# KiCad board Keyboard.kicad_pcb (continued)
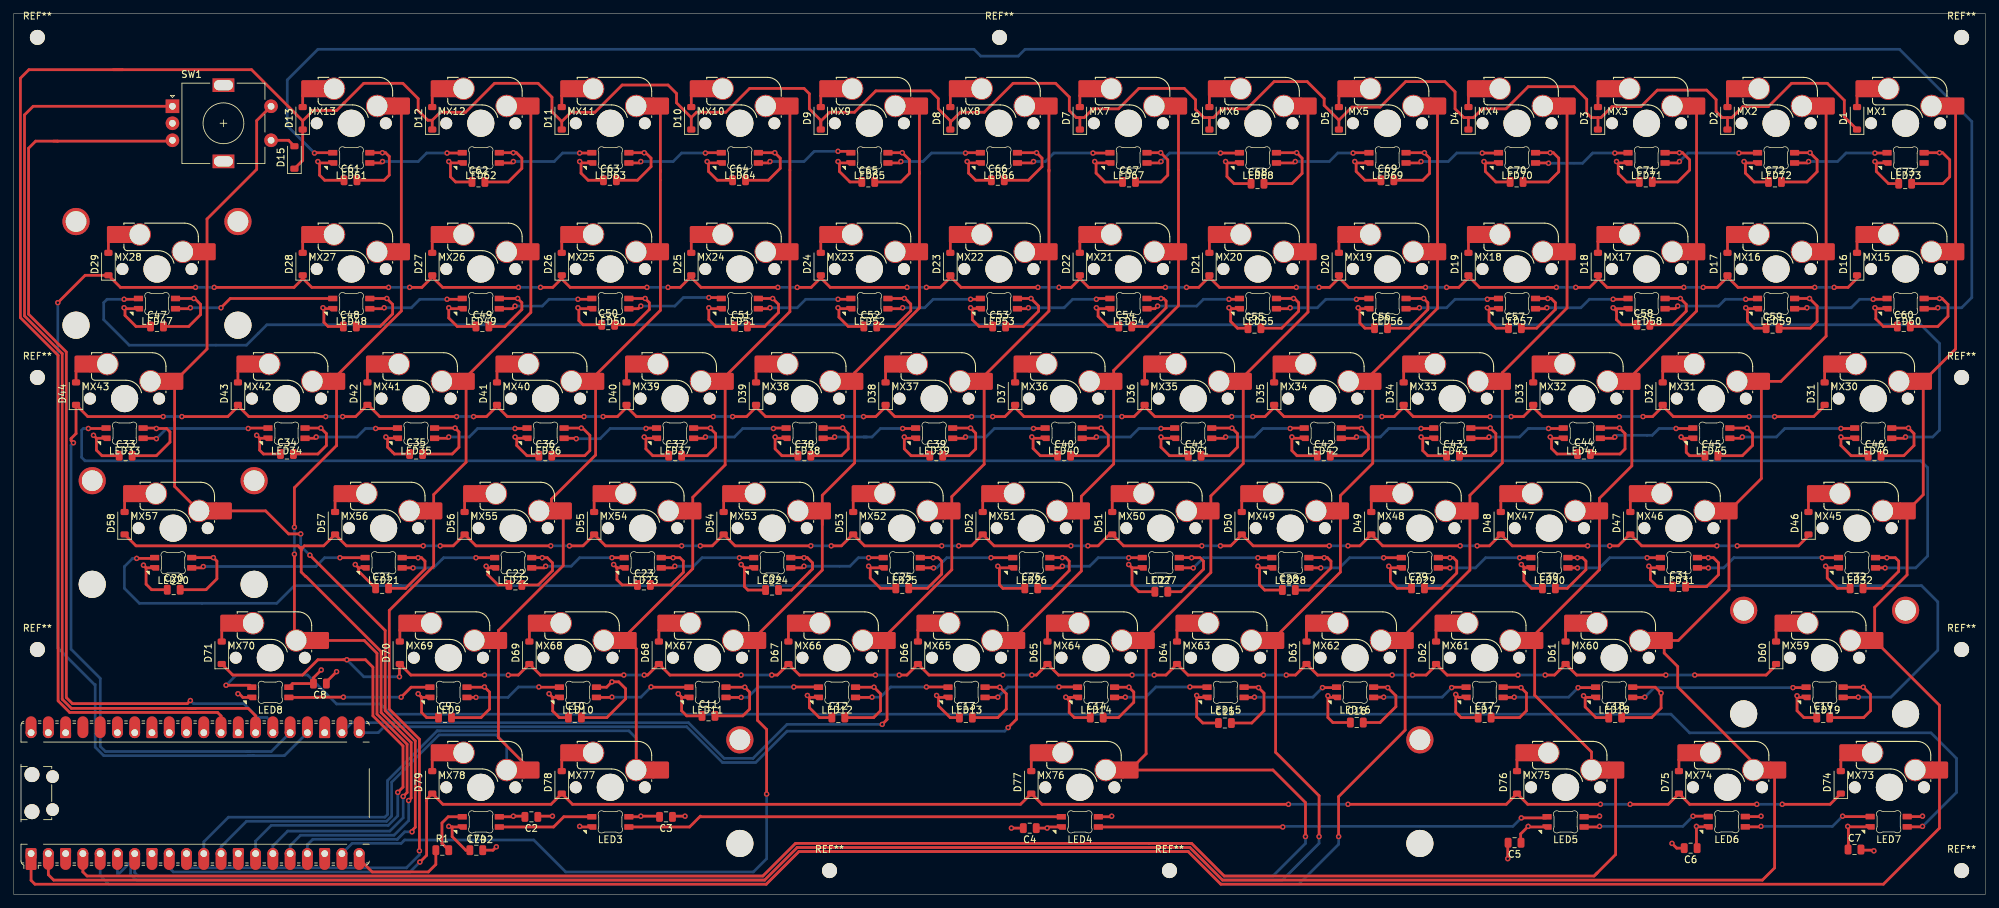
[diagram p0: board, top side]
## Routing (per net, layer and track width the routed paths; a pad name or vN(x,y) marks a point on that pad's centre or on a via; arc(x,y) is an arc through that point) (continued)
Row 4: length 332.6
  Top w0.4: v1(117.25,51.25) 106.11,51.25 D54.1 102.76,51.25 v1(101,51.25) ; 42.3,50.8 42.5,51 ; 42.3,50.8 42.3,50.6 ; 42.3,50.8 42.1,51 ; 42.5,51 42.3,51 ; 42.5,51 42.75,51.25 45.61,51.25 D57.1 48.96,51.25 v1(60.25,51.25) ; 42.1,51 42.3,51 ; 42.1,51 41.85,51.25 18,51.25 D58.1 ; 42.3,51 42.3,50.6 ; 42.3,50.6 42.3,47.4 42.95,46.75 43,46.75 54.05,35.7 54.05,26.75 58.47,22.33 58.47,14.17 v1(58.1,13.8) ; v1(177.5,51.25) 179,51.25 180.63,52.88 D50.1 182.31,51.25 v1(193.5,51.25) ; v1(158,51.25) 159.5,51.25 161.18,52.92 D51.1 163.26,51.25 v1(174.75,51.25) ; v1(215.25,51.25) 217.06,51.25 D48.1 220.41,51.25 v1(231.5,51.25) ; v1(196.25,51.25) 198.01,51.25 D49.1 201.36,51.25 v1(212.75,51.25) ; v1(234.75,51.25) 236,51.25 237.68,52.92 D47.1 239.46,51.25 v1(250.5,51.25) ; v1(79,51.25) 68.01,51.25 D56.1 64.66,51.25 v1(62.75,51.25) ; v1(253.5,51.25) 262.5,51.25 263.98,52.72 D46.1 ; v1(139,51.25) 140.86,51.25 D52.1 144.21,51.25 v1(155.5,51.25) ; v1(136.5,51.25) 125.16,51.25 D53.1 123.43,52.92 121.75,51.25 v1(120.25,51.25) ; v1(81.75,51.25) 83.75,51.25 85.38,52.88 D55.1 87.06,51.25 v1(98.25,51.25)
  Bottom w0.4: v1(139,51.25) v1(136.5,51.25) ; v1(234.75,51.25) v1(231.5,51.25) ; v1(253.5,51.25) v1(250.5,51.25) ; v1(215.25,51.25) v1(212.75,51.25) ; v1(177.5,51.25) v1(174.75,51.25) ; v1(81.75,51.25) v1(79,51.25) ; v1(158,51.25) v1(155.5,51.25) ; A1.16 40.67,7.17 42.2,8.7 55.95,8.7 58.1,10.85 v1(58.1,13.8) ; v1(62.75,51.25) v1(60.25,51.25) ; v1(196.25,51.25) v1(193.5,51.25) ; v1(101,51.25) v1(98.25,51.25) ; v1(120.25,51.25) v1(117.25,51.25)
Row 5: length 299.3
  Top w0.4: v1(167.75,32.25) 169.48,32.25 D64.1 172.73,32.25 v1(183.83,32.25) ; v1(202.75,32.25) 191.78,32.25 D63.1 188.53,32.25 v1(187.17,32.25) ; v1(56.75,32) 56.75,33.82 D70.1 58.43,32.25 v1(69.25,32.25) ; v1(92.75,32.25) 93.25,32.25 94.88,33.88 D68.1 96.53,32.25 v1(107,32.25) ; v1(243,32.25) 229.88,32.25 D61.1 226.63,32.25 v1(225.25,32.25) ; v1(205.75,32.25) 207.75,32.25 209.21,33.71 D62.1 210.83,32.25 v1(221.25,32.25) ; v1(164.5,32.25) 153.68,32.25 D65.1 150.43,32.25 v1(149.75,32.25) ; v1(145.5,32.25) 134.63,32.25 D66.1 131.38,32.25 v1(130.25,32.25) ; v1(72.75,32.25) 74.23,32.25 D69.1 77.48,32.25 v1(89.75,32.25) ; D71.1 32.24,32.25 42.5,32.25 44.75,34.5 v1(49,34.5) 51.75,34.5 52.85,33.4 52.85,26.25 57.27,21.83 57.27,15.77 v1(56.5,15) ; D60.1 259.21,33.71 257.75,32.25 v1(247.25,32.25) ; v1(126.75,32.25) 115.58,32.25 D67.1 112.33,32.25 v1(111.5,32.25)
  Bottom w0.4: v1(92.75,32.25) v1(89.75,32.25) ; v1(56.75,32) 51.5,32 v1(49,34.5) ; v1(56.5,15) 56.5,11.55 55.1,10.15 37.9,10.15 35.59,7.84 A1.14 ; v1(247.25,32.25) v1(243,32.25) ; v1(187.17,32.25) v1(183.83,32.25) ; v1(130.25,32.25) v1(126.75,32.25) ; v1(72.75,32.25) v1(69.25,32.25) ; v1(167.75,32.25) v1(164.5,32.25) ; v1(225.25,32.25) v1(221.25,32.25) ; v1(145.5,32.25) v1(149.75,32.25) ; v1(111.5,32.25) v1(107,32.25) ; v1(205.75,32.25) v1(202.75,32.25)
Row 6: length 264.3
  Top w0.4: D74.1 267.16,13.25 v1(260.12,13.25) ; v1(196.25,13.25) 219.54,13.25 D76.1 222.69,13.25 v1(233.38,13.25) ; v1(59.75,4.75) 60.75,5.75 60.75,13.75 60.75,13.75 60.75,14.01 D79.1 63.14,13.25 79.04,13.25 D78.1 82.19,13.25 148.1,13.25 D77.1 151.25,13.25 v1(187.5,13.25) ; v1(237.75,13.25) 243.35,13.25 D75.1 246.5,13.25 v1(256.38,13.25)
  Bottom w0.4: v1(59.75,4.75) 58.3,3.3 23.5,3.3 22.89,3.91 A1.9 ; v1(237.75,13.25) v1(233.38,13.25) ; v1(196.25,13.25) v1(187.5,13.25) ; v1(260.12,13.25) v1(256.38,13.25)
Net-(D1-A): length 3.1
  Top w0.4: D1.2 271.12,117.4 MX1.2
Net-(D2-A): length 3.1
  Top w0.4: MX2.2 252.07,117.4 D2.2
Net-(D3-A): length 3.1
  Top w0.4: MX3.2 233.02,117.4 D3.2
Net-(D4-A): length 3.1
  Top w0.4: D4.2 213.97,117.4 MX4.2
Net-(D5-A): length 3.1
  Top w0.4: MX5.2 194.92,117.4 D5.2
Net-(D6-A): length 3.1
  Top w0.4: D6.2 175.87,117.4 MX6.2
Net-(D7-A): length 3.1
  Top w0.4: MX7.2 156.82,117.4 D7.2
Net-(D8-A): length 3.1
  Top w0.4: MX8.2 137.77,117.4 D8.2
Net-(D9-A): length 3.1
  Top w0.4: MX9.2 118.72,117.4 D9.2
Net-(D10-A): length 3.1
  Top w0.4: MX10.2 99.67,117.4 D10.2
Net-(D11-A): length 3.1
  Top w0.4: D11.2 80.62,117.4 MX11.2
Net-(D12-A): length 3.1
  Top w0.4: D12.2 61.57,117.4 MX12.2
Net-(D13-A): length 3.1
  Top w0.4: D13.2 42.52,117.4 MX13.2
Net-(D15-A): length 4
  Top w0.4: D15.2 40.46,110.84 40.46,110.88 SW1.S1 37.98,110.99
Net-(D16-A): length 3.1
  Top w0.4: MX15.2 271.12,95.97 D16.2
Net-(D17-A): length 3.1
  Top w0.4: D17.2 252.07,95.97 MX16.2
Net-(D18-A): length 3.1
  Top w0.4: D18.2 233.02,95.97 MX17.2
Net-(D19-A): length 3.1
  Top w0.4: MX18.2 213.97,95.97 D19.2
Net-(D20-A): length 3.1
  Top w0.4: MX19.2 194.92,95.97 D20.2
Net-(D21-A): length 3.1
  Top w0.4: MX20.2 175.87,95.97 D21.2
Net-(D22-A): length 3.1
  Top w0.4: MX21.2 156.82,95.97 D22.2
Net-(D23-A): length 3.1
  Top w0.4: D23.2 137.77,95.97 MX22.2
Net-(D24-A): length 3.1
  Top w0.4: D24.2 118.72,95.97 MX23.2
Net-(D25-A): length 3.1
  Top w0.4: D25.2 99.67,95.97 MX24.2
Net-(D26-A): length 3.1
  Top w0.4: MX25.2 80.62,95.97 D26.2
Net-(D27-A): length 3.1
  Top w0.4: MX26.2 61.57,95.97 D27.2
Net-(D28-A): length 3.1
  Top w0.4: MX27.2 42.52,95.97 D28.2
Net-(D29-A): length 3.1
  Top w0.4: MX28.2 13.94,95.97 D29.2
Net-(D31-A): length 3.1
  Top w0.4: D31.2 266.36,76.92 MX30.2
Net-(D32-A): length 3.1
  Top w0.4: D32.2 242.54,76.92 MX31.2
Net-(D33-A): length 3.1
  Top w0.4: D33.2 223.49,76.92 MX32.2
Net-(D34-A): length 3.1
  Top w0.4: D34.2 204.44,76.92 MX33.2
Net-(D35-A): length 3.1
  Top w0.4: D35.2 185.39,76.92 MX34.2
Net-(D36-A): length 3.1
  Top w0.4: D36.2 166.34,76.92 MX35.2
Net-(D37-A): length 3.1
  Top w0.4: D37.2 147.29,76.92 MX36.2
Net-(D38-A): length 3.1
  Top w0.4: D38.2 128.24,76.92 MX37.2
Net-(D39-A): length 3.1
  Top w0.4: D39.2 109.19,76.92 MX38.2
Net-(D40-A): length 3.1
  Top w0.4: D40.2 90.14,76.92 MX39.2
Net-(D41-A): length 3.1
  Top w0.4: MX40.2 71.09,76.92 D41.2
Net-(D42-A): length 3.1
  Top w0.4: D42.2 52.04,76.92 MX41.2
Net-(D43-A): length 3.1
  Top w0.4: MX42.2 32.99,76.92 D43.2
Net-(D44-A): length 3.1
  Top w0.4: D44.2 9.18,76.92 MX43.2
Net-(D46-A): length 3.1
  Top w0.4: MX45.2 263.98,57.87 263.98,56.22
Net-(D47-A): length 3.1
  Top w0.4: MX46.2 237.78,57.87 237.78,56.22
Net-(D48-A): length 3.1
  Top w0.4: 218.73,56.22 218.73,57.87 MX47.2
Net-(D49-A): length 3.1
  Top w0.4: MX48.2 199.68,57.87 199.68,56.22
Net-(D50-A): length 3.1
  Top w0.4: MX49.2 180.63,57.87 180.63,56.22
Net-(D51-A): length 3.1
  Top w0.4: MX50.2 161.58,57.87 161.58,56.22
Net-(D52-A): length 3.1
  Top w0.4: MX51.2 142.53,57.87 142.53,56.22
Net-(D53-A): length 3.1
  Top w0.4: 123.48,56.22 123.48,57.87 MX52.2
Net-(D54-A): length 3.1
  Top w0.4: MX53.2 104.43,57.87 104.43,56.22
Net-(D55-A): length 3.1
  Top w0.4: 85.38,56.22 85.38,57.87 MX54.2
Net-(D56-A): length 3.1
  Top w0.4: 66.33,56.22 66.33,57.87 MX55.2
Net-(D57-A): length 3.1
  Top w0.4: 47.28,56.22 47.28,57.87 MX56.2
Net-(D58-A): length 3.1
  Top w0.4: MX57.2 16.33,57.87 16.33,56.22
Net-(D60-A): length 3.1
  Top w0.4: MX59.2 259.21,38.82 D60.2
Net-(D61-A): length 3.1
  Top w0.4: MX60.2 228.26,38.82 D61.2
Net-(D62-A): length 3.1
  Top w0.4: MX61.2 209.21,38.82 D62.2
Net-(D63-A): length 3.1
  Top w0.4: D63.2 190.16,38.82 MX62.2
Net-(D64-A): length 3.1
  Top w0.4: MX63.2 171.11,38.82 D64.2
Net-(D65-A): length 3.1
  Top w0.4: MX64.2 152.06,38.82 D65.2
Net-(D66-A): length 3.1
  Top w0.4: D66.2 133.01,38.82 MX65.2
Net-(D67-A): length 3.1
  Top w0.4: D67.2 113.96,38.82 MX66.2
Net-(D68-A): length 3.1
  Top w0.4: MX67.2 94.91,38.82 D68.2
Net-(D69-A): length 3.1
  Top w0.4: D69.2 75.86,38.82 MX68.2
Net-(D70-A): length 3.1
  Top w0.4: D70.2 56.81,38.82 MX69.2
Net-(D71-A): length 1.6
  Top w0.4: D71.2 30.61,38.82
Net-(D74-A): length 3.1
  Top w0.4: D74.2 268.74,19.77 MX73.2
Net-(D75-A): length 3.1
  Top w0.4: MX74.2 244.93,19.77 D75.2
Net-(D76-A): length 3.1
  Top w0.4: MX75.2 221.11,19.77 D76.2
Net-(D77-A): length 3.1
  Top w0.4: D77.2 149.68,19.77 MX76.2
Net-(D78-A): length 3.1
  Top w0.4: D78.2 80.62,19.77 MX77.2
Net-(D79-A): length 3.1
  Top w0.4: MX78.2 61.57,19.77 D79.2
Net-(LED2-DIN): length 7.8
  Top w0.4: R1.2 63,7.5 63,10.5 63.91,11.41 LED2.3
Net-(LED2-DOUT): length 14.2
  Top w0.4: LED2.2 79.41,9.91 80.91,11.41 LED3.3
Net-(LED3-DOUT): length 64.3
  Top w0.4: LED4.3 101.09,11.41 101,11.5 99.41,9.91 LED3.2
Net-(LED4-DOUT): length 66.6
  Top w0.4: v1(221.75,11.25) 225.37,11.25 LED5.3 ; v1(186.66,9.91) LED4.2
  Bottom w0.4: v1(186.66,9.91) 186.75,10 220.5,10 v1(221.75,11.25)
Net-(LED5-DOUT): length 18.9
  Top w0.4: v1(233.25,10) 233.16,9.91 LED5.2 ; LED6.3 249.17,11.5 v1(247,11.5)
  Bottom w0.4: v1(247,11.5) 245.5,10 v1(233.25,10)
Net-(LED6-DOUT): length 19
  Top w0.4: LED6.2 256.94,9.94 v1(257,10) ; v1(269,11.5) 269.06,11.44 LED7.3
  Bottom w0.4: v1(269,11.5) 267.5,10 v1(257,10)
Net-(LED7-DOUT): length 278.4
  Top w0.4: v1(280.75,10) 280.69,9.94 LED7.2 ; v1(31.25,30.75) 34.75,30.75 LED8.3
  Bottom w0.4: v1(280.75,10) 285.75,15 285.75,20 282,23.75 246.5,23.75 243.75,26.5 55.5,26.5 54,28 47.5,28 43.25,32.25 32.75,32.25 v1(31.25,30.75)
Net-(LED8-DOUT): length 21.4
  Top w0.4: v1(57,29) 58.46,30.46 LED9.3 ; v1(48.5,29) 44.25,29 44.21,28.96 LED8.2
  Bottom w0.4: v1(48.5,29) v1(57,29)
Net-(LED10-DIN): length 14.3
  Top w0.4: v1(77.25,30.5) 77.29,30.46 LED10.3 ; v1(68,28.96) 66.68,28.96
  Bottom w0.4: v1(68,28.96) 72.71,28.96 74.25,30.5 v1(77.25,30.5)
Net-(LED10-DOUT): length 14.3
  Top w0.4: v1(93.75,30.5) 93.79,30.46 99.32,30.46 ; v1(88,29) 87.96,28.96 LED10.2
  Bottom w0.4: v1(88,29) 92.25,29 v1(93.75,30.5)
Net-(LED11-DOUT): length 14.3
  Top w0.4: v1(114.75,30.5) 118.34,30.5 LED12.3 ; v1(107,28.96) LED11.2
  Bottom w0.4: v1(114.75,30.5) 109.5,30.5 107.96,28.96 v1(107,28.96)
Net-(LED12-DOUT): length 14.3
  Top w0.4: v1(126.25,29) 126.21,28.96 LED12.2 ; v1(134.25,30.5) 137.39,30.5 LED13.3
  Bottom w0.4: v1(134.25,30.5) 129,30.5 127.5,29 v1(126.25,29)
Net-(LED13-DOUT): length 14.3
  Top w0.4: v1(144.75,29) 144.71,28.96 LED13.2 ; v1(153.75,30.5) 156.44,30.5 156.48,30.46
  Bottom w0.4: v1(144.75,29) 146.25,30.5 v1(153.75,30.5)
Net-(LED14-DOUT): length 14.3
  Top w0.4: LED15.3 175.49,30.5 v1(173,30.5) ; LED14.2 163.46,28.96 v1(163.5,29)
  Bottom w0.4: v1(173,30.5) 168,30.5 166.5,29 v1(163.5,29)
Net-(LED15-DOUT): length 14.2
  Top w0.4: LED15.2 182.46,28.96 v1(182.5,29) ; v1(192.5,30.4) 194.51,30.4 LED16.3
  Bottom w0.4: v1(192.5,30.4) 191.1,29 v1(182.5,29)
Net-(LED16-DOUT): length 14.2
  Top w0.4: 200.02,28.96 200.06,29 v1(201.5,29) ; LED17.3 211.56,30.46 v1(211.5,30.4)
  Bottom w0.4: v1(201.5,29) 210.1,29 v1(211.5,30.4)
Net-(LED17-DOUT): length 14.2
  Top w0.4: 232.68,30.46 232.61,30.4 v1(230.1,30.4) ; v1(220.7,29) 220.66,28.96 LED17.2
  Bottom w0.4: v1(230.1,30.4) 228.7,29 v1(220.7,29)
Net-(LED18-DOUT): length 26.1
  Top w0.4: v1(261.7,30.4) 263.57,30.4 LED19.3 ; LED18.2 239.86,28.96 v1(239.9,29)
  Bottom w0.4: v1(239.9,29) 241.3,30.4 v1(261.7,30.4)
Net-(LED19-DOUT): length 302.2
  Top w0.4: v1(18.1,49.4) 20.63,49.4 LED20.3 ; v1(271.3,29) 271.26,28.96 LED19.2
  Bottom w0.4: 56.9,45.4 41.3,45.4 38.7,42.8 18.5,42.8 16.3,45 16.3,48.2 17.5,49.4 v1(18.1,49.4) ; 56.9,45.4 280.6,45.4 283,43 283,35.9 276.1,29 v1(271.3,29) ; 56.9,45.4 56.5,45.4
Net-(LED20-DOUT): length 26.1
  Top w0.4: LED20.2 27.71,48.01 v1(27.9,48.2) ; LED21.3 51.69,49.5 v1(48,49.5)
  Bottom w0.4: v1(27.9,48.2) 44.45,48.2 45.75,49.5 v1(48,49.5)
Net-(LED21-DOUT): length 14.2
  Top w0.4: v1(68,49.5) 70.74,49.5 LED22.3 ; v1(58.75,48) 58.74,48.01 LED21.2
  Bottom w0.4: v1(58.75,48) 61.75,48 63.25,49.5 v1(68,49.5)
Net-(LED22-DOUT): length 14.2
  Top w0.4: LED23.3 89.79,49.5 v1(88,49.5) ; LED22.2 78.01,48.01 v1(78.25,48.25)
  Bottom w0.4: v1(78.25,48.25) 82,48.25 83.25,49.5 v1(88,49.5)
Net-(LED23-DOUT): length 14.2
  Top w0.4: LED23.2 97.01,48.01 v1(97.25,48.25) ; LED24.3 108.84,49.5 v1(106.75,49.5)
  Bottom w0.4: v1(106.75,49.5) 101.25,49.5 100,48.25 v1(97.25,48.25)
Net-(LED24-DOUT): length 14.2
  Top w0.4: LED25.3 127.89,49.5 v1(125.75,49.5) ; LED24.2 116.01,48.01 v1(116.25,48.25)
  Bottom w0.4: v1(125.75,49.5) 124.25,49.5 123,48.25 v1(116.25,48.25)
Net-(LED25-DOUT): length 14.2
  Top w0.4: LED25.2 134.99,48.01 135,48 v1(135.3,48) ; LED26.3 146.94,49.5 v1(143.75,49.5)
  Bottom w0.4: v1(135.3,48) 135.75,48 137.25,49.5 v1(143.75,49.5)
Net-(LED26-DOUT): length 14.2
  Top w0.4: v1(164,49.5) 165.99,49.5 LED27.3 ; v1(154.25,48.25) 154.01,48.01 LED26.2
  Bottom w0.4: v1(164,49.5) 159.5,49.5 158.25,48.25 v1(154.25,48.25)
Net-(LED27-DOUT): length 14.2
  Top w0.4: v1(183,49.5) 185.04,49.5 LED28.3 ; LED27.2 173.49,48.01 v1(173.5,48)
  Bottom w0.4: v1(173.5,48) 175,49.5 v1(183,49.5)
Net-(LED28-DOUT): length 14.2
  Top w0.4: LED28.2 192.24,48.01 v1(192.25,48) ; v1(201.5,49.5) 204.09,49.5 LED29.3
  Bottom w0.4: v1(201.5,49.5) 196.5,49.5 195,48 v1(192.25,48)
Net-(LED29-DOUT): length 14.2
  Top w0.4: v1(211.25,48) 211.24,48.01 LED29.2 ; LED30.3 223.14,49.5 v1(221.5,49.5)
  Bottom w0.4: v1(211.25,48) 215,48 216.5,49.5 v1(221.5,49.5)
Net-(LED30-DOUT): length 14.2
  Top w0.4: v1(240.25,49.5) 242.19,49.5 LED31.3 ; v1(230,48) 229.99,48.01 LED30.2
  Bottom w0.4: v1(240.25,49.5) 234.75,49.5 233.25,48 v1(230,48)
Net-(LED31-DOUT): length 21.4
  Top w0.4: LED31.2 249.24,48.01 v1(249.25,48) ; v1(266,49.5) 268.38,49.5 LED32.3
  Bottom w0.4: v1(249.25,48) 251.5,48 253,49.5 v1(266,49.5)
Net-(LED32-DOUT): length 301.2
  Top w0.4: v1(11,68.5) 13.54,68.5 LED33.3 ; v1(275.25,48) 275.24,48.01 LED32.2
  Bottom w0.4: v1(275.25,48) 279.75,48 281.5,49.75 281.5,62.75 280.5,63.75 10.5,63.75 10,64.25 10,68.25 10.25,68.5 v1(11,68.5)
Net-(LED33-DOUT): length 19
  Top w0.4: LED34.3 34.56,68.56 v1(34.5,68.5) ; v1(21,67) 20.94,67.06 LED33.2
  Bottom w0.4: v1(21,67) 22.5,68.5 v1(34.5,68.5)
Net-(LED34-DOUT): length 14.2
  Top w0.4: v1(53.25,68.5) 56.4,68.5 LED35.3 ; LED34.2 44.31,67.06 v1(44.5,67.25)
  Bottom w0.4: v1(44.5,67.25) 50.5,67.25 51.75,68.5 v1(53.25,68.5)
Net-(LED35-DOUT): length 14.2
  Top w0.4: LED36.3 75.45,68.5 v1(73.75,68.5) ; v1(64,67.25) 63.81,67.06 LED35.2
  Bottom w0.4: v1(64,67.25) 67,67.25 68.25,68.5 v1(73.75,68.5)
Net-(LED36-DOUT): length 14.3
  Top w0.4: v1(82.75,67) 82.69,67.06 LED36.2 ; v1(93,68.5) 93.06,68.56 LED37.3
  Bottom w0.4: v1(82.75,67) 86.25,67 87.75,68.5 v1(93,68.5)
Net-(LED37-DOUT): length 14.2
  Top w0.4: LED37.2 101.56,67.06 v1(101.75,67.25) ; v1(111.75,68.5) 111.81,68.56 LED38.3
  Bottom w0.4: v1(111.75,68.5) 107.25,68.5 106,67.25 v1(101.75,67.25)
Net-(LED38-DOUT): length 15.2
  Top w0.4: LED38.2 120.56,67.06 v1(120.75,67.25) ; v1(130.75,68.5) 132.6,68.5 LED39.3
  Bottom w0.4: v1(130.75,68.5) 127.5,68.5 126.25,67.25 125,67.25 125.5,67.25 v1(120.75,67.25)
Net-(LED39-DOUT): length 14.2
  Top w0.4: LED40.3 151.65,68.5 v1(150,68.5) ; LED39.2 139.81,67.06 v1(140,67.25)
  Bottom w0.4: v1(140,67.25) 143,67.25 144.25,68.5 v1(150,68.5)
Net-(LED40-DOUT): length 14.2
  Top w0.4: LED41.3 170.7,68.5 v1(168.75,68.5) ; v1(159.25,67.25) 159.06,67.06 LED40.2
  Bottom w0.4: v1(159.25,67.25) 164.25,67.25 165.5,68.5 v1(168.75,68.5)
Net-(LED41-DOUT): length 14.2
  Top w0.4: v1(187.75,68.5) 187.81,68.56 LED42.3 ; LED41.2 178.06,67.06 v1(178.25,67.25)
  Bottom w0.4: v1(187.75,68.5) 183.75,68.5 182.5,67.25 v1(178.25,67.25)
Net-(LED42-DOUT): length 14.2
  Top w0.4: v1(207,68.5) 208.8,68.5 LED43.3 ; v1(197.5,67.25) 197.31,67.06 LED42.2
  Bottom w0.4: v1(197.5,67.25) 201,67.25 202.25,68.5 v1(207,68.5)
Net-(LED43-DOUT): length 14.2
  Top w0.4: LED43.2 216.81,67.06 v1(217,67.25) ; LED44.3 227.85,68.5 v1(225.75,68.5)
  Bottom w0.4: v1(217,67.25) 221.5,67.25 222.75,68.5 v1(225.75,68.5)
Net-(LED44-DOUT): length 14.2
  Top w0.4: v1(244.5,68.5) 246.9,68.5 LED45.3 ; v1(235.5,67.25) 235.31,67.06 LED44.2
  Bottom w0.4: v1(235.5,67.25) 235.75,67.5 241,67.5 242,68.5 v1(244.5,68.5)
Net-(LED45-DOUT): length 19
  Top w0.4: v1(268.75,68.5) 270.71,68.5 LED46.3 ; LED45.2 254.06,67.06 v1(254.25,67.25)
  Bottom w0.4: v1(268.75,68.5) 260.5,68.5 259.25,67.25 v1(254.25,67.25)
Net-(LED46-DOUT): length 302.3
  Top w0.4: LED46.2 278.06,67.06 v1(278.25,67.25) ; LED47.3 18.25,87.5 v1(16.25,87.5)
  Bottom w0.4: 45.5,83.75 37.25,83.75 34.25,80.75 17,80.75 13.25,84.5 13.25,87 13.75,87.5 v1(16.25,87.5) ; 45.5,83.75 45.25,83.75 ; 45.5,83.75 280.5,83.75 283.25,81 283.25,68.25 282.25,67.25 v1(278.25,67.25)
Net-(LED47-DOUT): length 23.7
  Top w0.4: LED48.3 31.86,87.61 v1(30.5,86.25) ; v1(26,86.25) 25.86,86.11 LED47.2
  Bottom w0.4: v1(30.5,86.25) v1(26,86.25)
Net-(LED48-DOUT): length 14.2
  Top w0.4: LED48.2 54.36,86.11 v1(54.5,86.25) ; LED49.3 65.87,87.5 v1(63.75,87.5)
  Bottom w0.4: v1(54.5,86.25) 58.5,86.25 59.75,87.5 v1(63.75,87.5)
Net-(LED49-DOUT): length 14.2
  Top w0.4: v1(83,87.5) 84.92,87.5 LED50.3 ; v1(73.75,86.5) 73.36,86.11 LED49.2
  Bottom w0.4: v1(83,87.5) 78.75,87.5 77.75,86.5 v1(73.75,86.5)
Net-(LED50-DOUT): length 14.3
  Top w0.4: v1(92.25,86.5) 91.86,86.11 LED50.2 ; LED51.3 103.95,87.75 v1(102.25,87.75)
  Bottom w0.4: v1(92.25,86.5) 97.25,86.5 98.5,87.75 v1(102.25,87.75)
Net-(LED51-DOUT): length 14.2
  Top w0.4: LED52.3 123.02,87.5 v1(121.25,87.5) ; v1(111.25,86.25) 111.11,86.11 LED51.2
  Bottom w0.4: v1(121.25,87.5) 116.5,87.5 115.25,86.25 v1(111.25,86.25)
Net-(LED52-DOUT): length 14.2
  Top w0.4: LED53.3 142.07,87.5 v1(140.75,87.5) ; v1(130.75,86.25) 130.61,86.11 LED52.2
  Bottom w0.4: v1(140.75,87.5) 135.25,87.5 134,86.25 v1(130.75,86.25)
Net-(LED53-DOUT): length 14.2
  Top w0.4: v1(159.25,87.5) 159.36,87.61 LED54.3 ; v1(149.25,86.25) 149.11,86.11 LED53.2
  Bottom w0.4: v1(149.25,86.25) 154.5,86.25 155.75,87.5 v1(159.25,87.5)
Net-(LED54-DOUT): length 14.2
  Top w0.4: v1(178.75,87.5) 180.17,87.5 LED55.3 ; v1(168.25,86.5) 167.86,86.11 LED54.2
  Bottom w0.4: v1(168.25,86.5) 174,86.5 175,87.5 v1(178.75,87.5)
Net-(LED55-DOUT): length 14.2
  Top w0.4: LED56.3 197.61,87.61 v1(197.5,87.5) ; LED55.2 187.61,86.11 v1(187.75,86.25)
  Bottom w0.4: v1(187.75,86.25) 191.75,86.25 193,87.5 v1(197.5,87.5)
Net-(LED56-DOUT): length 14.5
  Top w0.4: v1(206.75,86.25) 206.61,86.11 LED56.2 ; v1(216.75,87.5) 216.86,87.61 LED57.3
  Bottom w0.4: v1(206.75,86.25) 210.75,86.25 212,87.5 v1(216.75,87.5) 216.5,87.5
Net-(LED57-DOUT): length 14.2
  Top w0.4: v1(225.5,86.25) 225.36,86.11 LED57.2 ; LED58.3 237.32,87.5 v1(235.25,87.5)
  Bottom w0.4: v1(235.25,87.5) 231.75,87.5 230.5,86.25 v1(225.5,86.25)
Net-(LED58-DOUT): length 14.2
  Top w0.4: v1(254.75,87.5) 256.37,87.5 LED59.3 ; v1(244.75,86.5) 244.36,86.11 LED58.2
  Bottom w0.4: v1(244.75,86.5) 250.75,86.5 251.75,87.5 v1(254.75,87.5)
Net-(LED59-DOUT): length 14.2
  Top w0.4: LED60.3 275.42,87.5 v1(273.5,87.5) ; LED59.2 263.61,86.11 v1(263.75,86.25)
  Bottom w0.4: v1(263.75,86.25) 270.25,86.25 271.5,87.5 v1(273.5,87.5)
Net-(LED60-DOUT): length 303.5
  Top w0.4: LED60.2 282.86,86.11 v1(283,86.25) ; v1(44.25,109) 44.29,109.05 LED61.3
  Bottom w0.4: v1(283,86.25) 286.5,86.25 288,87.75 288,113.62 277.38,124.25 148.75,124.25 147.75,123.25 142.25,123.25 141.25,124.25 44.75,124.25 40.25,119.75 40.25,113 v1(44.25,109)
Net-(LED61-DOUT): length 14.2
  Top w0.4: LED62.3 65.94,109 v1(63.75,109) ; v1(54.25,107.75) 54.04,107.55 LED61.2
  Bottom w0.4: v1(63.75,109) 60.75,109 59.5,107.75 v1(54.25,107.75)
Net-(LED62-DOUT): length 14.2
  Top w0.4: v1(83.25,109) 84.99,109 LED63.3 ; v1(73.5,107.75) 73.29,107.55 LED62.2
  Bottom w0.4: v1(83.25,109) 80.75,109 79.5,107.75 v1(73.5,107.75)
Net-(LED63-DOUT): length 14.2
  Top w0.4: LED64.3 101.79,109.05 v1(101.75,109) ; LED63.2 92.04,107.55 v1(92.25,107.75)
  Bottom w0.4: v1(92.25,107.75) 97,107.75 98.25,109 v1(101.75,109)
Net-(LED64-DOUT): length 14.4
  Top w0.4: LED65.3 122.93,109.25 v1(121.25,109.25) ; LED64.2 111.04,107.55 v1(111.25,107.75)
  Bottom w0.4: v1(121.25,109.25) 117.75,109.25 116.25,107.75 v1(111.25,107.75)
Net-(LED65-DOUT): length 14.2
  Top w0.4: LED65.2 130.29,107.55 v1(130.5,107.75) ; v1(140,109) 140.04,109.05 LED66.3
  Bottom w0.4: v1(140,109) 135,109 133.75,107.75 v1(130.5,107.75)
Net-(LED66-DOUT): length 14.2
  Top w0.4: LED66.2 149.8,107.55 v1(150,107.75) ; v1(158.75,109) 161.19,109 LED67.3
  Bottom w0.4: v1(158.75,109) 153,109 151.75,107.75 v1(150,107.75)
Net-(LED67-DOUT): length 14.2
  Top w0.4: v1(177.5,109) 180.24,109 LED68.3 ; v1(168.75,107.75) 168.55,107.55 LED67.2
  Bottom w0.4: v1(177.5,109) 170,109 v1(168.75,107.75)
Net-(LED68-DOUT): length 14.2
  Top w0.4: LED68.2 188.3,107.55 v1(188.5,107.75) ; LED69.3 197.05,109.05 v1(197,109)
  Bottom w0.4: v1(197,109) 194.75,109 193.5,107.75 v1(188.5,107.75)
Net-(LED69-DOUT): length 14.2
  Top w0.4: v1(216,109) 218.34,109 LED70.3 ; v1(207,107.75) 206.8,107.55 LED69.2
  Bottom w0.4: v1(207,107.75) 211,107.75 212.25,109 v1(216,109)
Net-(LED70-DOUT): length 14.3
  Top w0.4: v1(225.75,107.5) 225.7,107.55 LED70.2 ; v1(235.5,109) 237.39,109 LED71.3
  Bottom w0.4: v1(235.5,109) 232.25,109 230.75,107.5 v1(225.75,107.5)
Net-(LED71-DOUT): length 14.2
  Top w0.4: LED71.2 244.8,107.55 v1(245,107.75) ; LED72.3 256.44,109 v1(253.75,109)
  Bottom w0.4: v1(245,107.75) 246.25,109 v1(253.75,109)
Net-(LED72-DOUT): length 14.2
  Top w0.4: v1(273.75,109) 275.49,109 LED73.3 ; v1(264,107.75) 263.8,107.55 LED72.2
  Bottom w0.4: v1(273.75,109) 269.5,109 268.25,107.75 v1(264,107.75)

## Copper pours and planes (outline as drawn; the poured copper is in the pictures)
+5V on In2.Cu: 290,129.5 290,0 0,0 0,129.5
GND on In1.Cu: 290,129.5 290,0 0,0 0,129.5
